# KiCad board ui.kicad_pcb
rev: v1
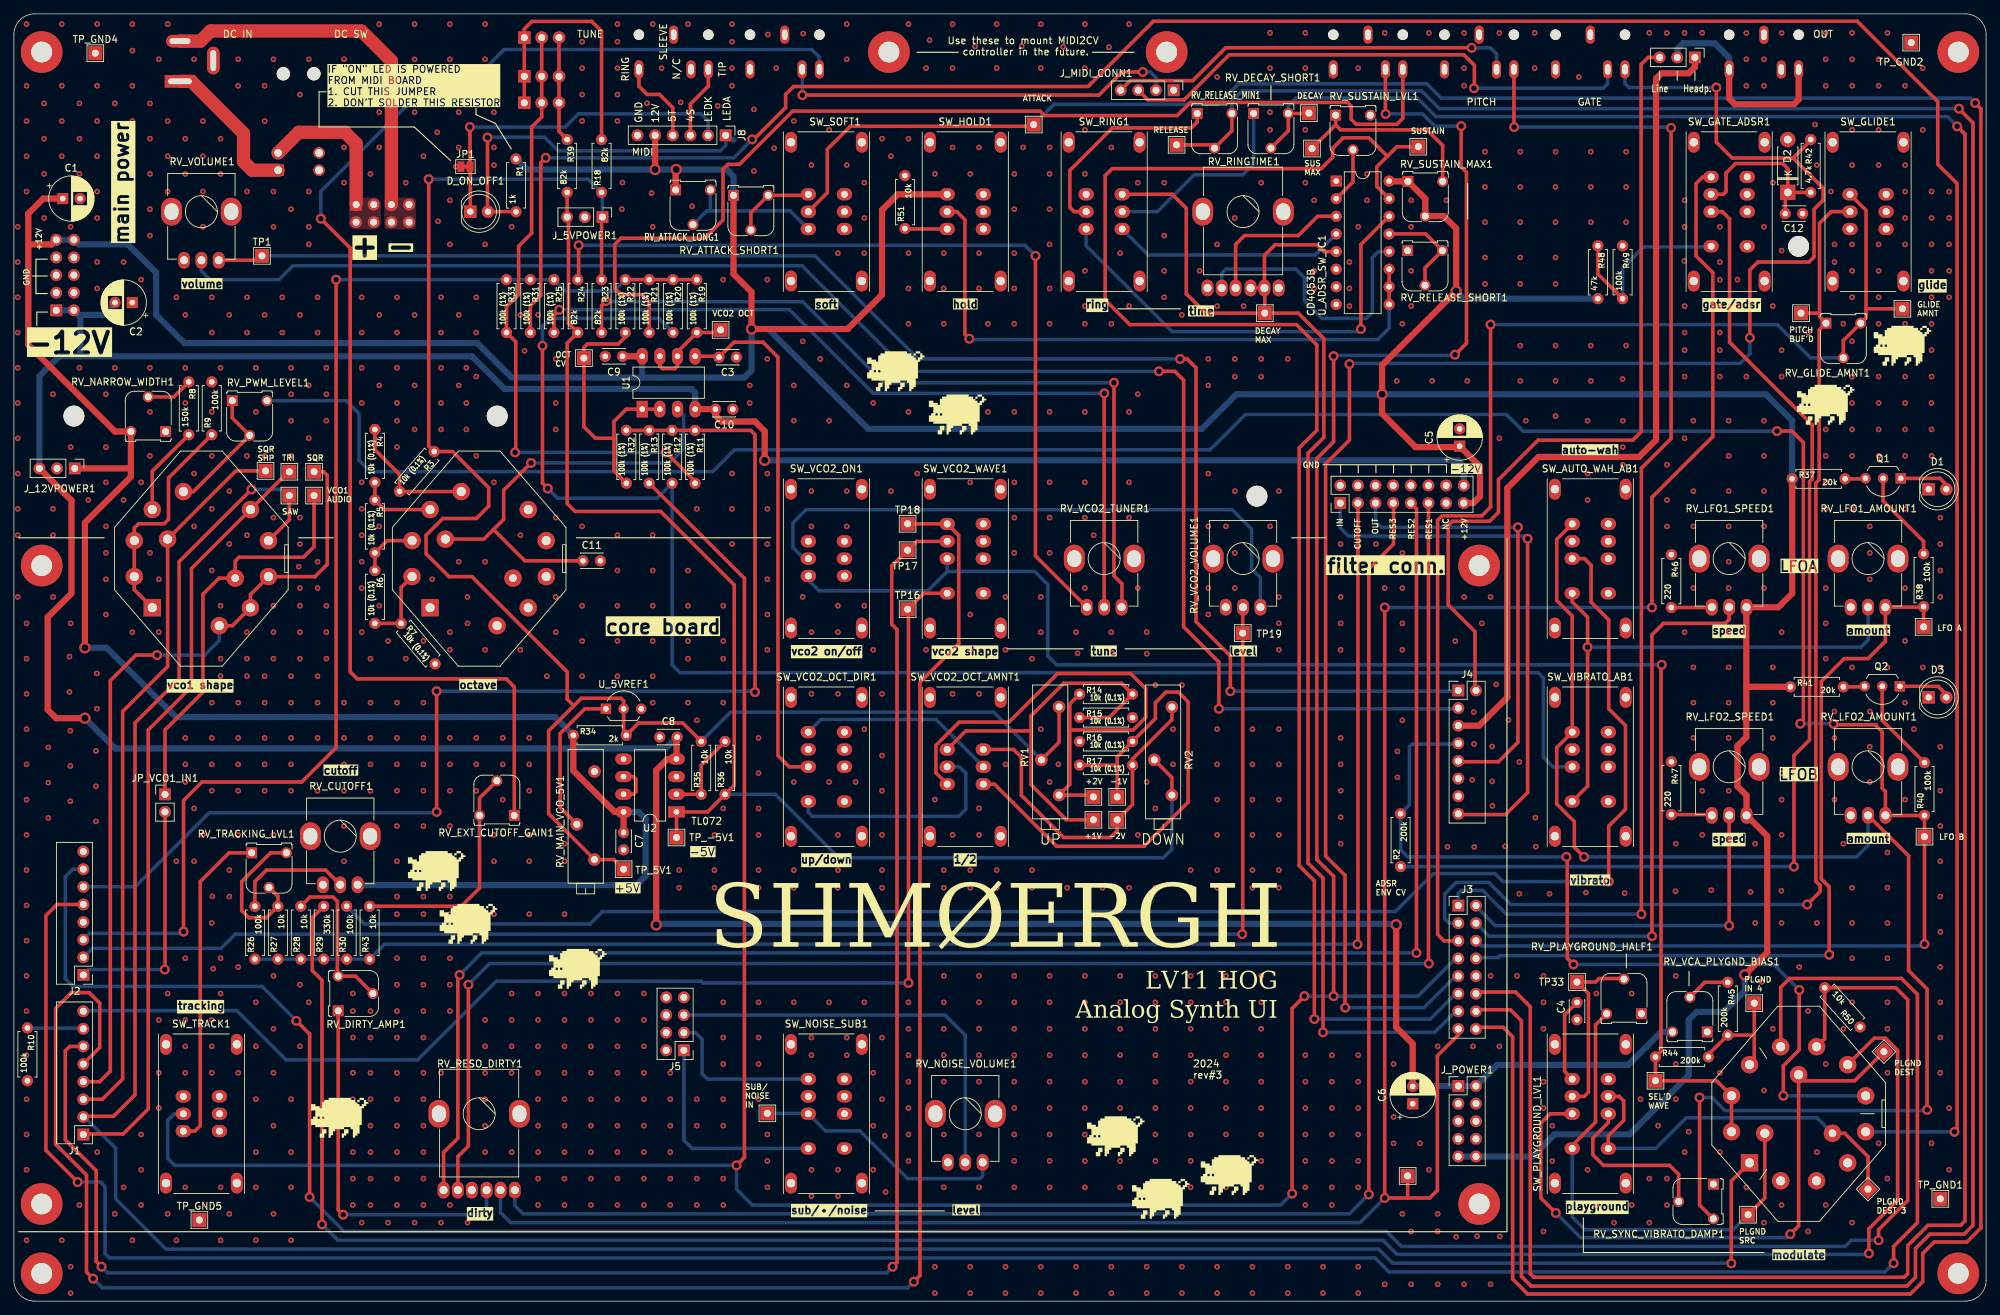
[diagram p0: board, top side]
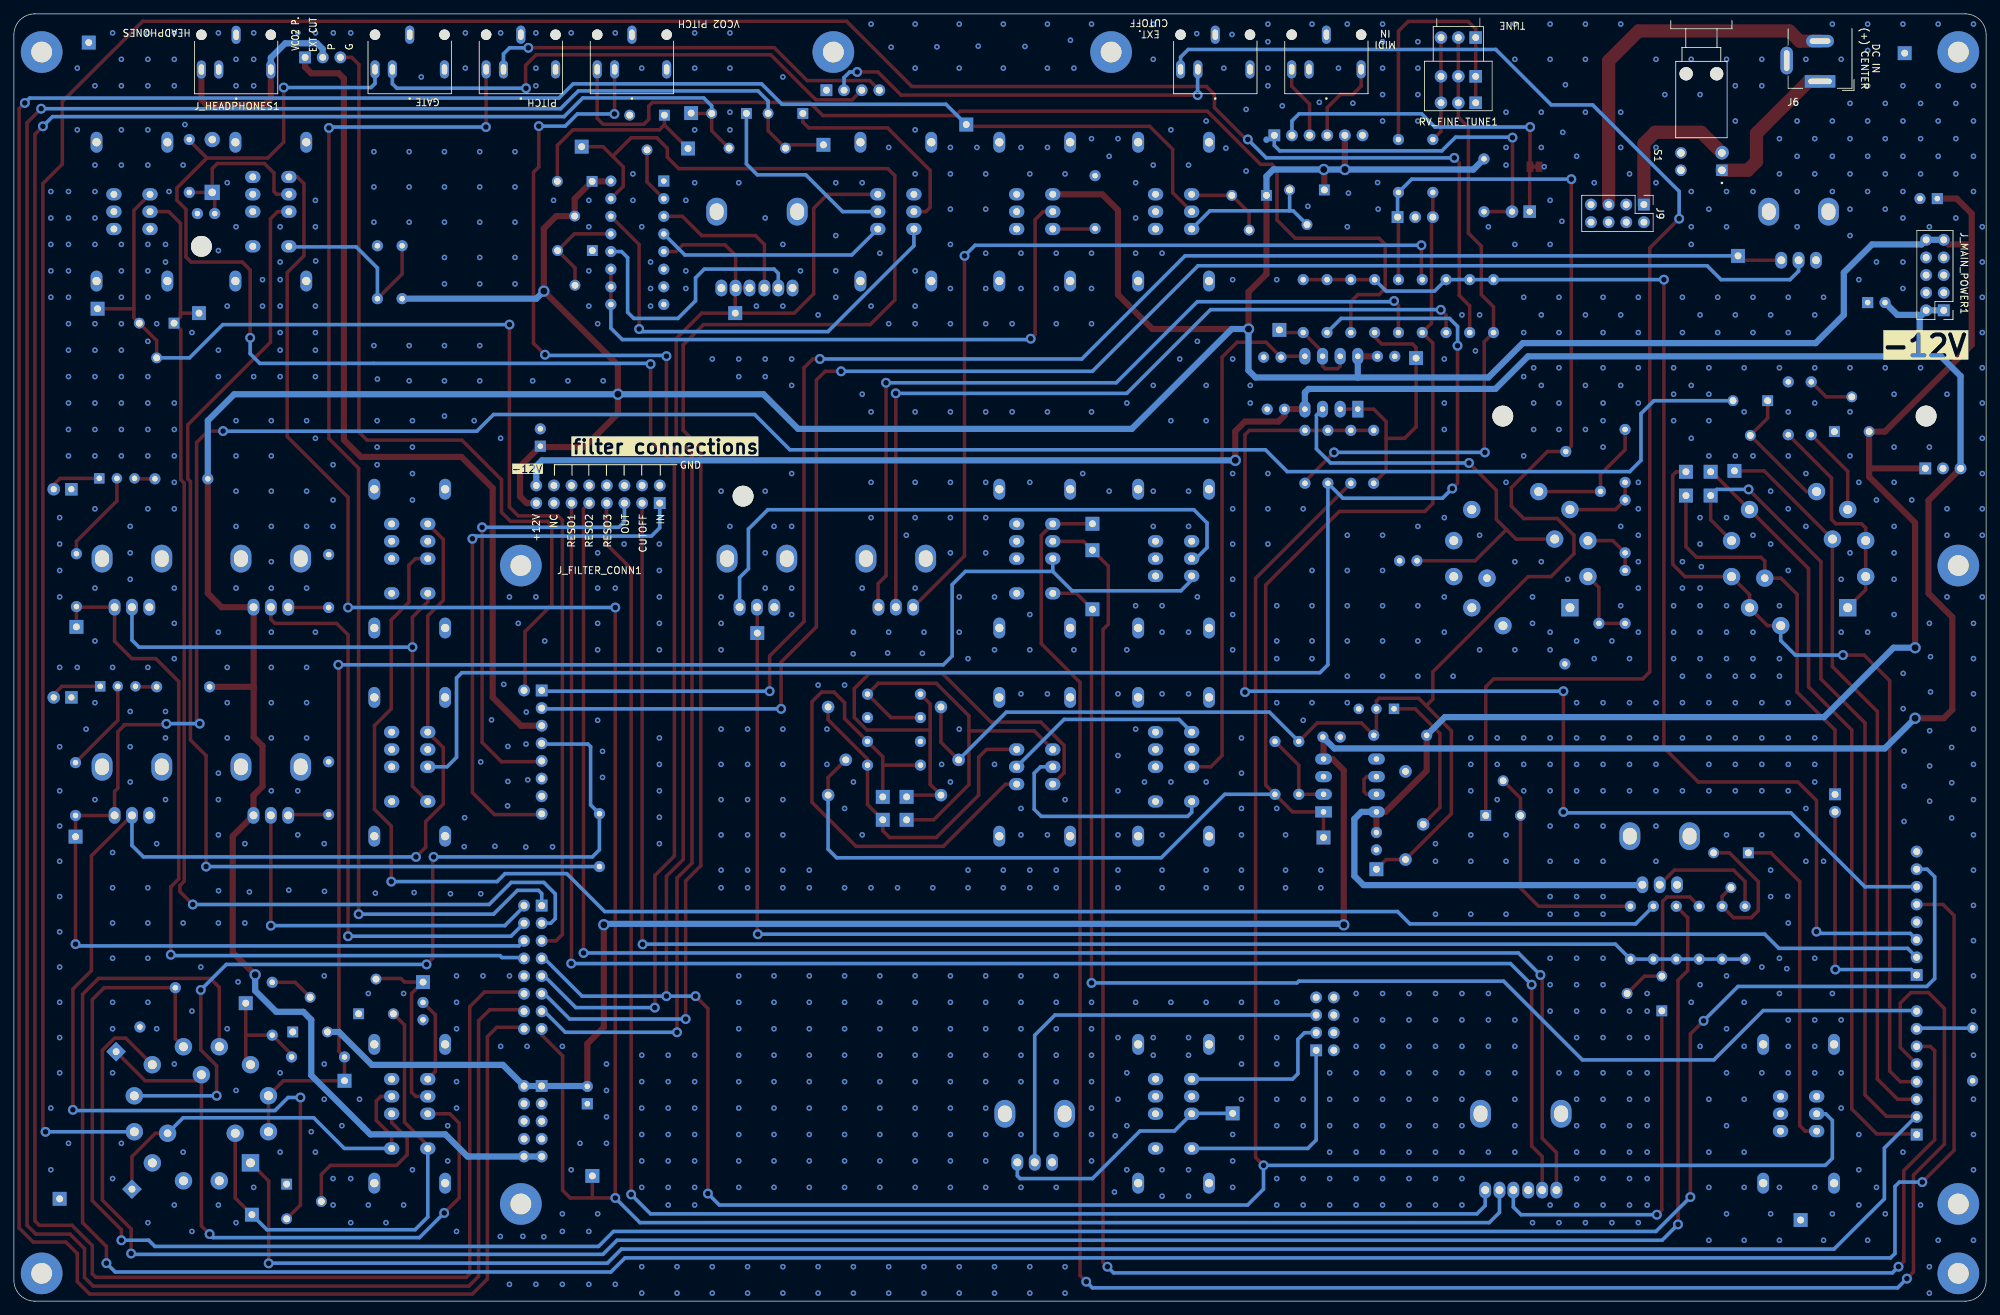
[diagram p1: board, bottom side, seen from below]

Outline 284 x 185.5 mm; copper layers: Top, GND1 (plane), GND2 (plane), Bottom. Coordinates in mm from the lower left corner of the outline.
Outline path: 0,182.5 0,3 arc(0.88,0.88) 3,0 281,0 arc(283.12,0.88) 284,3 284,182.5 arc(283.12,184.62) 281,185.5 3,185.5 arc(0.88,184.62) 0,182.5
Stack: Top 0.035mm / dielectric 0.2104mm FR4 er 4.5 / GND1 0.0152mm / dielectric 1.065mm FR4 er 4.5 / GND2 0.0152mm / dielectric 0.2104mm FR4 er 4.5 / Bottom 0.035mm

## Placement (name value [footprint] x y rotation side)
C1  100u  [CP_Radial_D6.3mm_P2.50mm]  7.03 158.88 0 top
C2  100u  [CP_Radial_D6.3mm_P2.50mm]  17.06 143.9 180 top
C3  1n  [C_Disc_D3.0mm_W2.0mm_P2.50mm]  101.53 136.02 0 top
C4  10n  [C_Disc_D3.0mm_W2.0mm_P2.50mm]  225.09 43.04 270 top
C5  47u  [CP_Radial_D6.3mm_P2.50mm]  208.19 123.2 90 top
C6  47u  [CP_Radial_D6.3mm_P2.50mm]  201.43 28.44 90 top
C7  100n  [C_Disc_D3.0mm_W2.0mm_P2.50mm]  87.8 67.53 270 top
C8  100n  [C_Disc_D3.0mm_W2.0mm_P2.50mm]  93.01 81.29 0 top
C9  100n  [C_Disc_D3.0mm_W2.0mm_P2.50mm]  87.65 136.15 180 top
C10  100n  [C_Disc_D3.0mm_W2.0mm_P2.50mm]  103.53 128.53 180 top
C11  1n  [C_Disc_D3.0mm_W2.0mm_P2.50mm]  81.96 106.69 0 top  (not fitted)
C12  470n  [C_Disc_D3.0mm_W2.0mm_P2.50mm]  255.08 156.72 0 top
D1  LED Blue  [LED_D5.0mm]  275.73 117 0 top
D2  8.2V  [D_DO-41_SOD81_P7.62mm_Horizontal]  255.44 159.77 90 top
D3  LED Blue  [LED_D5.0mm]  275.73 87 0 top
D_ON_OFF1  LED Blue  [LED_D5.0mm]  65.72 157 0 top
G***  LOGO  [Gyeszno]  175.05 18.17 0 top
G***#2  LOGO  [Gyeszno]  271.95 137.68 0 top
G***#3  LOGO  [Gyeszno]  158.66 23.76 0 top
G***#4  LOGO  [Gyeszno]  65.45 54.36 0 top
G***#5  LOGO  [Gyeszno]  260.9 129.17 0 top
G***#6  LOGO  [Gyeszno]  127 134 0 top
G***#7  LOGO  [Gyeszno]  165.14 14.74 0 top
G***#8  LOGO  [Gyeszno]  135.89 127.78 0 top
G***#9  LOGO  [Gyeszno]  60.88 61.98 0 top
G***#10  LOGO  [Gyeszno]  46.91 26.42 0 top
G***#11  LOGO  [Gyeszno]  81.19 47.89 0 top
H1  MountingHole  [MountingHole_3mm_Pad]  280 4 0 top
H2  MountingHole  [MountingHole_3mm_Pad]  4 180 0 top
H3  MountingHole  [MountingHole_3mm_Pad]  280 180 0 top
H4  MountingHole  [MountingHole_3mm_Pad]  4 4 0 top
H5  MountingHole  [MountingHole_3mm_Pad]  4 14 0 top
H6  MountingHole  [MountingHole_3mm_Pad]  4 106 0 top
H7  MountingHole  [MountingHole_3mm_Pad]  211 106 0 top
H8  MountingHole  [MountingHole_3mm_Pad]  211 14 0 top
H9  MountingHole  [MountingHole_3mm]  8.64 127.54 0 top
H10  MountingHole  [MountingHole_3mm]  69.6 127.54 0 top
H11  MountingHole  [MountingHole_3mm]  257 152 0 top
H12  MountingHole  [MountingHole_3mm]  179 116 0 top
H13  MountingHole  [MountingHole_3mm_Pad]  166 180 0 top
H14  MountingHole  [MountingHole_3mm_Pad]  126 180 0 top
J1  Conn_02x08_Counter_Clockwise  [PinHeader_2x08_P2.54mm_Vertical]  10 24 180 top
J2  Conn_02x08_Counter_Clockwise  [PinHeader_2x08_P2.54mm_Vertical]  10 47 180 top
J3  Conn_02x08_Counter_Clockwise  [PinHeader_2x08_P2.54mm_Vertical#2]  208 57 0 top
J4  Conn_02x08_Counter_Clockwise  [PinHeader_2x08_P2.54mm_Vertical#3]  208 88 0 top
J5  Conn_02x04_Counter_Clockwise  [PinHeader_2x04_P2.54mm_Vertical]  96.48 36.15 180 top
J6  Barrel_Jack_Switch  [BarrelJack_Wuerth_6941xx301002]  23.92 175.78 0 bottom
J8  Conn_01x06  [PinHeader_1x06_P2.54mm_Vertical]  102.5 168 270 top
J9  Conn_02x04_Odd_Even  [PinHeader_2x04_P2.54mm_Vertical]  49.28 158.02 270 bottom
J_5VPOWER1  Conn_01x03  [PinHeader_1x03_P2.54mm_Vertical]  84.75 156.22 270 top  (not fitted)
J_12VPOWER1  Conn_01x03  [PinHeader_1x03_P2.54mm_Vertical]  8.76 120 270 top  (not fitted)
J_EXT_CUTOFF1  SJ1-3554NG  [CUI_SJ1-3554NG]  111 182.5 270 bottom
J_FILTER_CONN1  Conn_02x08_Odd_Even  [PinHeader_2x08_P2.54mm_Vertical#2]  191 115 90 top
J_GATE1  SJ1-3554NG  [CUI_SJ1-3554NG]  227 182.5 270 bottom
J_HEADPHONES1  SJ1-3554NG  [CUI_SJ1-3554NG]  252 182.48 270 bottom
J_MAIN_POWER1  Conn_02x05_Odd_Even  [PinHeader_2x05_P2.54mm_Vertical]  6.1 142.78 0 bottom
J_MIDI_CONN1  Conn_01x03  [PinHeader_1x04_P2.54mm_Vertical]  167 174.5 270 top
J_MIDI_IN1  SJ1-3554NG  [CUI_SJ1-3554NG]  95 182.5 270 bottom
J_PITCH1  SJ1-3554NG  [CUI_SJ1-3554NG]  211 182.5 270 bottom
J_POWER1  Conn_02x05_Odd_Even  [PinHeader_2x05_P2.54mm_Vertical]  208 31 0 top
J_VCO2_PITCH1  SJ1-3554NG  [CUI_SJ1-3554NG]  195 182.5 270 bottom
JP1  Jumper_2_Open  [SolderJumper-2_P1.3mm_Bridged_Pad1.0x1.5mm]  65.03 163.48 0 top
JP_PHO-LINE1  Jumper_3_Open  [PinHeader_1x03_P2.54mm_Vertical]  242.07 179.23 270 top
JP_VCO1_IN1  Jumper_2_Open  [PinHeader_1x02_P2.54mm_Vertical]  21.76 73.03 0 top
Q1  2N3904  [TO-92L_Inline_Wide]  271.7 118.57 180 top
Q2  2N3904  [TO-92L_Inline_Wide]  271.58 88.59 180 top
R1  1k  [R_Axial_DIN0207_L6.3mm_D2.5mm_P7.62mm_Horizontal]  72.31 164.6 270 top
R2  200k  [R_Axial_DIN0207_L6.3mm_D2.5mm_P7.62mm_Horizontal]  199.69 62.62 90 top
R3  10k (0.1%)  [R_Axial_DIN0207_L6.3mm_D2.5mm_P7.62mm_Horizontal]  60.53 122.43 229 top
R4  10k (0.1%)  [R_Axial_DIN0207_L6.3mm_D2.5mm_P7.62mm_Horizontal]  51.98 125.61 270 top
R5  10k (0.1%)  [R_Axial_DIN0207_L6.3mm_D2.5mm_P7.62mm_Horizontal]  51.98 115.45 270 top
R6  10k (0.1%)  [R_Axial_DIN0207_L6.3mm_D2.5mm_P7.62mm_Horizontal]  51.98 105.29 270 top
R7  10k (0.1%)  [R_Axial_DIN0207_L6.3mm_D2.5mm_P7.62mm_Horizontal]  55.76 97.67 310 top
R8  150k  [R_Axial_DIN0207_L6.3mm_D2.5mm_P7.62mm_Horizontal]  25.19 132.47 270 top
R9  100k  [R_Axial_DIN0207_L6.3mm_D2.5mm_P7.62mm_Horizontal]  28.49 124.85 90 top
R10  100k  [R_Axial_DIN0207_L6.3mm_D2.5mm_P7.62mm_Horizontal]  1.95 39.38 270 top
R11  100k (1%)  [R_Axial_DIN0207_L6.3mm_D2.5mm_P7.62mm_Horizontal]  98.09 125.48 270 top
R12  100k (1%)  [R_Axial_DIN0207_L6.3mm_D2.5mm_P7.62mm_Horizontal]  94.78 125.48 270 top
R13  100k (1%)  [R_Axial_DIN0207_L6.3mm_D2.5mm_P7.62mm_Horizontal]  91.48 125.48 270 top
R14  10k (0.1%)  [R_Axial_DIN0207_L6.3mm_D2.5mm_P7.62mm_Horizontal]  153.46 87.47 0 top
R15  10k (0.1%)  [R_Axial_DIN0207_L6.3mm_D2.5mm_P7.62mm_Horizontal]  153.46 84.09 0 top
R16  10k (0.1%)  [R_Axial_DIN0207_L6.3mm_D2.5mm_P7.62mm_Horizontal]  153.46 80.65 0 top
R17  10k (0.1%)  [R_Axial_DIN0207_L6.3mm_D2.5mm_P7.62mm_Horizontal]  153.46 77.24 0 top
R18  82k  [R_Axial_DIN0207_L6.3mm_D2.5mm_P7.62mm_Horizontal]  84.62 159.77 90 top
R19  100k (1%)  [R_Axial_DIN0207_L6.3mm_D2.5mm_P7.62mm_Horizontal]  98.34 147.2 270 top
R20  100k (1%)  [R_Axial_DIN0207_L6.3mm_D2.5mm_P7.62mm_Horizontal]  94.91 147.2 270 top
R21  100k (1%)  [R_Axial_DIN0207_L6.3mm_D2.5mm_P7.62mm_Horizontal]  91.48 147.2 270 top
R22  100k (1%)  [R_Axial_DIN0207_L6.3mm_D2.5mm_P7.62mm_Horizontal]  88.05 147.2 270 top
R23  82k  [R_Axial_DIN0207_L6.3mm_D2.5mm_P7.62mm_Horizontal]  84.62 147.2 270 top
R24  82k  [R_Axial_DIN0207_L6.3mm_D2.5mm_P7.62mm_Horizontal]  81.19 147.2 270 top
R25  100k (1%)  [R_Axial_DIN0207_L6.3mm_D2.5mm_P7.62mm_Horizontal]  77.77 147.2 270 top
R26  100k  [R_Axial_DIN0207_L6.3mm_D2.5mm_P7.62mm_Horizontal]  34.71 49.28 90 top
R27  10k  [R_Axial_DIN0207_L6.3mm_D2.5mm_P7.62mm_Horizontal]  38.02 49.28 90 top
R28  10k  [R_Axial_DIN0207_L6.3mm_D2.5mm_P7.62mm_Horizontal]  41.32 49.28 90 top
R29  330k  [R_Axial_DIN0207_L6.3mm_D2.5mm_P7.62mm_Horizontal]  44.62 49.28 90 top
R30  100k  [R_Axial_DIN0207_L6.3mm_D2.5mm_P7.62mm_Horizontal]  47.92 49.28 90 top
R31  100k (1%)  [R_Axial_DIN0207_L6.3mm_D2.5mm_P7.62mm_Horizontal]  74.36 147.2 270 top
R32  100k (1%)  [R_Axial_DIN0207_L6.3mm_D2.5mm_P7.62mm_Horizontal]  88.19 125.48 270 top
R33  100k (1%)  [R_Axial_DIN0207_L6.3mm_D2.5mm_P7.62mm_Horizontal]  70.94 147.2 270 top
R34  2k  [R_Axial_DIN0207_L6.3mm_D2.5mm_P7.62mm_Horizontal]  80.56 81.54 0 top
R35  10k  [R_Axial_DIN0207_L6.3mm_D2.5mm_P7.62mm_Horizontal]  98.97 73.03 90 top
R36  10k  [R_Axial_DIN0207_L6.3mm_D2.5mm_P7.62mm_Horizontal]  102.4 73.03 90 top
R37  20k  [R_Axial_DIN0207_L6.3mm_D2.5mm_P7.62mm_Horizontal]  256.07 118.5 0 top
R38  100k  [R_Axial_DIN0207_L6.3mm_D2.5mm_P7.62mm_Horizontal]  275 100.08 90 top
R39  82k  [R_Axial_DIN0207_L6.3mm_D2.5mm_P7.62mm_Horizontal]  79.67 167.39 270 top
R40  100k  [R_Axial_DIN0207_L6.3mm_D2.5mm_P7.62mm_Horizontal]  275.12 69.98 90 top
R41  20k  [R_Axial_DIN0207_L6.3mm_D2.5mm_P7.62mm_Horizontal]  255.82 88.53 0 top
R42  4.7k  [R_Axial_DIN0207_L6.3mm_D2.5mm_P7.62mm_Horizontal]  258.74 167.39 270 top
R43  10k  [R_Axial_DIN0207_L6.3mm_D2.5mm_P7.62mm_Horizontal]  51.22 49.28 90 top
R44  200k  [R_Axial_DIN0207_L6.3mm_D2.5mm_P7.62mm_Horizontal]  236.39 35.19 0 top
R45  200k  [R_Axial_DIN0207_L6.3mm_D2.5mm_P7.62mm_Horizontal]  246.8 45.95 270 top
R46  220  [R_Axial_DIN0207_L6.3mm_D2.5mm_P7.62mm_Horizontal]  238.68 107.58 270 top
R47  220  [R_Axial_DIN0207_L6.3mm_D2.5mm_P7.62mm_Horizontal]  238.68 77.73 270 top
R48  47k  [R_Axial_DIN0207_L6.3mm_D2.5mm_P7.62mm_Horizontal]  228.1 152.08 270 top
R49  100k  [R_Axial_DIN0207_L6.3mm_D2.5mm_P7.62mm_Horizontal]  231.65 152.08 270 top
R50  10k  [R_Axial_DIN0207_L6.3mm_D2.5mm_P7.62mm_Horizontal]  265.85 39.5 132 top
R51  10k  [R_Axial_DIN0207_L6.3mm_D2.5mm_P7.62mm_Horizontal]  128.31 154.57 90 top
RV1  50k prec.  [Potentiometer_Bourns_3006P_Horizontal]  150.5 85.62 90 top
RV2  50k prec.  [Potentiometer_Bourns_3006P_Horizontal]  166.75 85.62 90 top
RV_ATTACK_LONG1  100k  [Potentiometer_Runtron_RM-065_Vertical]  95.29 160.13 0 top
RV_ATTACK_SHORT1  10k  [Potentiometer_Runtron_RM-065_Vertical]  103.63 159.35 0 top
RV_CUTOFF1  100k  [Potentiometer_Bourns_Single-PTV09A]  47 67 0 top
RV_DECAY_SHORT1  100k  [Potentiometer_Runtron_RM-065_Vertical]  178.52 171.16 0 top
RV_DIRTY_AMP1  100k  [Potentiometer_Runtron_RM-065_Vertical]  46.7 41.83 90 top
RV_EXT_CUTOFF_GAIN1  100k  [Potentiometer_Runtron_RM-065_Vertical]  72.05 69.98 180 top
RV_FINE_TUNE1  10k  [Potentiometer_Bourns_PTD901-2015_Single_Horizontal]  73.5 176.5 270 bottom
RV_GLIDE_AMNT1  100k  [Potentiometer_Runtron_RM-065_Vertical]  260.94 140.93 0 top
RV_LFO1_AMOUNT1  A100k  [Potentiometer_Bourns_Single-PTV09A]  267 107 0 top
RV_LFO1_SPEED1  A100k  [Potentiometer_Bourns_Single-PTV09A]  247 107 0 top
RV_LFO2_AMOUNT1  A100k  [Potentiometer_Bourns_Single-PTV09A]  267 77 0 top
RV_LFO2_SPEED1  A100k  [Potentiometer_Bourns_Single-PTV09A]  247 77 0 top
RV_MAIN_VCO_5V1  10k  [Potentiometer_Bourns_3006P_Horizontal]  83.61 76.33 90 top
RV_NARROW_WIDTH1  100k  [Potentiometer_Runtron_RM-065_Vertical]  21.85 125.31 180 top
RV_NOISE_VOLUME1  A100k  [Potentiometer_Bourns_Single-PTV09A]  137 27 0 top
RV_PLAYGROUND_HALF1  100k  [Potentiometer_Runtron_RM-065_Vertical]  234.36 41.41 180 top
RV_PWM_LEVEL1  200k  [Potentiometer_Runtron_RM-065_Vertical]  31.45 129.75 0 top
RV_RELEASE_MIN1  100k  [Potentiometer_Runtron_RM-065_Vertical]  170.39 171.16 0 top
RV_RELEASE_SHORT1  100k  [Potentiometer_Runtron_RM-065_Vertical]  200.7 151.39 0 top
RV_RESO_DIRTY1  50k  [Potentiometer_Bourns_Dual-PTV112-4]  67 27 0 top
RV_RINGTIME1  500k  [Potentiometer_Bourns_Dual-PTV112-4]  177 157 0 top
RV_SUSTAIN_LVL1  100k  [Potentiometer_Runtron_RM-065_Vertical]  190.33 170.9 0 top
RV_SUSTAIN_MAX1  200k  [Potentiometer_Runtron_RM-065_Vertical]  200.74 161.36 0 top
RV_SYNC_VIBRATO_DAMP1  100k  [Potentiometer_Runtron_RM-065_Vertical]  244.73 16.86 270 top
RV_TRACKING_LVL1  100k  [Potentiometer_Runtron_RM-065_Vertical]  34.25 64.6 0 top
RV_VCA_PLYGND_BIAS1  100k  [Potentiometer_Runtron_RM-065_Vertical]  243.84 38.79 180 top
RV_VCO2_TUNER1  100k  [Potentiometer_Bourns_Single-PTV09A]  157 107 0 top
RV_VCO2_VOLUME1  A100k  [Potentiometer_Bourns_Single-PTV09A]  177 107 0 top
RV_VOLUME1  A10k  [Potentiometer_Bourns_Single-PTV09A]  27 157 0 top
S1  PB400EEQR1BLK  [SW_PB400EEQR1BLK]  41 164.22 90 bottom
SW_AUTO_WAH_AB1  SW_DP3T  [DP3T Korg Style Switch]  227 107 0 top
SW_GATE_ADSR1  SW_DP3T  [DP3T Korg Style Switch]  247 157 0 top
SW_GLIDE1  SW_DPDT_x2  [DPDT Korg Style Switch]  267 157 0 top
SW_HOLD1  SW_DPDT_x2  [DPDT Korg Style Switch]  137 157 0 top
SW_NOISE_SUB1  SW_DP3T  [DP3T Korg Style Switch]  117 27 0 top
SW_OCTAVE1  SW_Rotary2x5  [SW_SR2512F-2x5-rotary]  67 107 0 top
SW_PLAYGROUND1  SW_Rotary3x4  [SW_SR2512F-3x4-rotary]  257 27 0 top
SW_PLAYGROUND_LVL1  SW_DP3T  [DP3T Korg Style Switch]  227 27 0 top
SW_RING1  SW_DPDT_x2  [DPDT Korg Style Switch]  157 157 0 top
SW_SOFT1  SW_DPDT_x2  [DPDT Korg Style Switch]  117 157 0 top
SW_TRACK1  SW_DPDT_x2  [DPDT Korg Style Switch]  27 27 0 top
SW_VCO2_OCT_AMNT1  SW_DPDT_x2  [DPDT Korg Style Switch]  137 77 0 top
SW_VCO2_OCT_DIR1  SW_DP3T  [DP3T Korg Style Switch]  117 77 0 top
SW_VCO2_ON1  SW_DPDT_x2  [DPDT Korg Style Switch]  117 107 0 top
SW_VCO2_WAVE1  SW_DP3T  [DP3T Korg Style Switch]  137 107 0 top
SW_VIBRATO_AB1  SW_DP3T  [DP3T Korg Style Switch]  227 77 0 top
SW_WAVESHAPE1  SW_Rotary2x5  [SW_SR2512F-2x5-rotary]  27 107 0 top
TP1  TP Max vol  [TestPoint_THTPad_2.0x2.0mm_Drill1.0mm]  35.73 150.63 0 top
TP2  TP sustain max  [TestPoint_THTPad_2.0x2.0mm_Drill1.0mm]  186.93 166.1 0 top
TP3  TP sustain  [TestPoint_THTPad_2.0x2.0mm_Drill1.0mm]  202.24 166.36 0 top
TP4  TP decay max  [TestPoint_THTPad_2.0x2.0mm_Drill1.0mm]  180.13 142.37 0 top
TP5  TP attack  [TestPoint_THTPad_2.0x2.0mm_Drill1.0mm]  146.85 169.55 0 top
TP6  TP release  [TestPoint_THTPad_2.0x2.0mm_Drill1.0mm]  167.43 166.63 0 top
TP7  TP decay  [TestPoint_THTPad_2.0x2.0mm_Drill1.0mm]  186.48 171.2 0 top
TP8  TP pitch input  [TestPoint_THTPad_2.0x2.0mm_Drill1.0mm]  257.34 142.37 0 top
TP9  TP glided pitch  [TestPoint_THTPad_2.0x2.0mm_Drill1.0mm]  271.95 143.01 0 top
TP10  TP octave cv  [TestPoint_THTPad_2.0x2.0mm_Drill1.0mm]  82.08 135.9 0 top
TP11  TP vco1 sqr  [TestPoint_THTPad_2.0x2.0mm_Drill1.0mm]  43.22 119.51 0 top
TP12  TP vco1 tri  [TestPoint_THTPad_2.0x2.0mm_Drill1.0mm]  39.67 119.51 0 top
TP13  TP vco1 saw  [TestPoint_THTPad_2.0x2.0mm_Drill1.0mm]  39.67 116.09 0 top
TP14  TP vco1 raw  [TestPoint_THTPad_2.0x2.0mm_Drill1.0mm]  43.22 116.09 0 top
TP15  TP vco1 sqr shape  [TestPoint_THTPad_2.0x2.0mm_Drill1.0mm]  36.24 119.64 0 top
TP16  TP vco2 sqr  [TestPoint_THTPad_2.0x2.0mm_Drill1.0mm]  128.69 99.7 0 top
TP17  TP vco2 saw  [TestPoint_THTPad_2.0x2.0mm_Drill1.0mm]  128.69 108.21 0 top
TP18  TP vco2 tri  [TestPoint_THTPad_2.0x2.0mm_Drill1.0mm]  128.69 112.02 0 top
TP19  TP vco2 raw  [TestPoint_THTPad_2.0x2.0mm_Drill1.0mm]  176.95 96.27 0 top
TP20  TP vco2 oct  [TestPoint_THTPad_2.0x2.0mm_Drill1.0mm]  101.77 139.96 0 top
TP21  TP vco2 oct2+  [TestPoint_THTPad_2.0x2.0mm_Drill1.0mm]  155.45 72.66 0 top
TP22  TP vco2 oct1+  [TestPoint_THTPad_2.0x2.0mm_Drill1.0mm]  155.45 69.36 0 top
TP23  TP vco2 oct2-  [TestPoint_THTPad_2.0x2.0mm_Drill1.0mm]  158.88 69.36 0 top
TP24  TP vco2 oct1-  [TestPoint_THTPad_2.0x2.0mm_Drill1.0mm]  158.88 72.66 0 top
TP25  TP LFOA  [TestPoint_THTPad_2.0x2.0mm_Drill1.0mm]  275 97.16 0 top
TP26  TP LFOB  [TestPoint_THTPad_2.0x2.0mm_Drill1.0mm]  275.12 66.94 0 top
TP27  TP adsr env  [TestPoint_THTPad_2.0x2.0mm_Drill1.0mm]  200.7 18.04 0 top
TP28  TP noise  [TestPoint_THTPad_2.0x2.0mm_Drill1.0mm]  108.5 27.06 0 top
TP29  TP plgnd 4 in  [TestPoint_THTPad_2.0x2.0mm_Drill1.0mm]  250.61 42.93 0 top
TP31  TP plgnd 2/3 in (vco2 sel)  [TestPoint_THTPad_2.0x2.0mm_Drill1.0mm]  236.39 31.76 0 top
TP32  TP plgnd src  [TestPoint_THTPad_2.0x2.0mm_Drill1.0mm]  249.72 12.45 0 top
TP33  TP plgnd half src  [TestPoint_THTPad_2.0x2.0mm_Drill1.0mm]  225.09 45.98 0 top
TP34  TP plgnd dest  [TestPoint_THTPad_2.0x2.0mm_Drill1.0mm]  269.28 35.95 45 top
TP35  TP dest 3  [TestPoint_THTPad_2.0x2.0mm_Drill1.0mm]  267 16.14 45 top
TP_5V1  TP 5V  [TestPoint_THTPad_2.0x2.0mm_Drill1.0mm]  87.8 62.24 0 top
TP_-5V1  TP 5V  [TestPoint_THTPad_2.0x2.0mm_Drill1.0mm]  95.42 66.81 0 top
TP_GND1  TP GND  [TestPoint_THTPad_2.0x2.0mm_Drill1.0mm]  277.41 14.74 0 top
TP_GND2  TP GND  [TestPoint_THTPad_2.0x2.0mm_Drill1.0mm]  273.22 181.36 0 top
TP_GND4  TP GND  [TestPoint_THTPad_2.0x2.0mm_Drill1.0mm]  11.73 179.84 0 top
TP_GND5  TP GND  [TestPoint_THTPad_2.0x2.0mm_Drill1.0mm]  26.71 11.69 0 top
U1  TL072  [DIP-8_W7.62mm_LongPads]  90.48 128.54 90 top